# Altium PCB rezerv.PcbDoc (part 1 of 2) (continued)
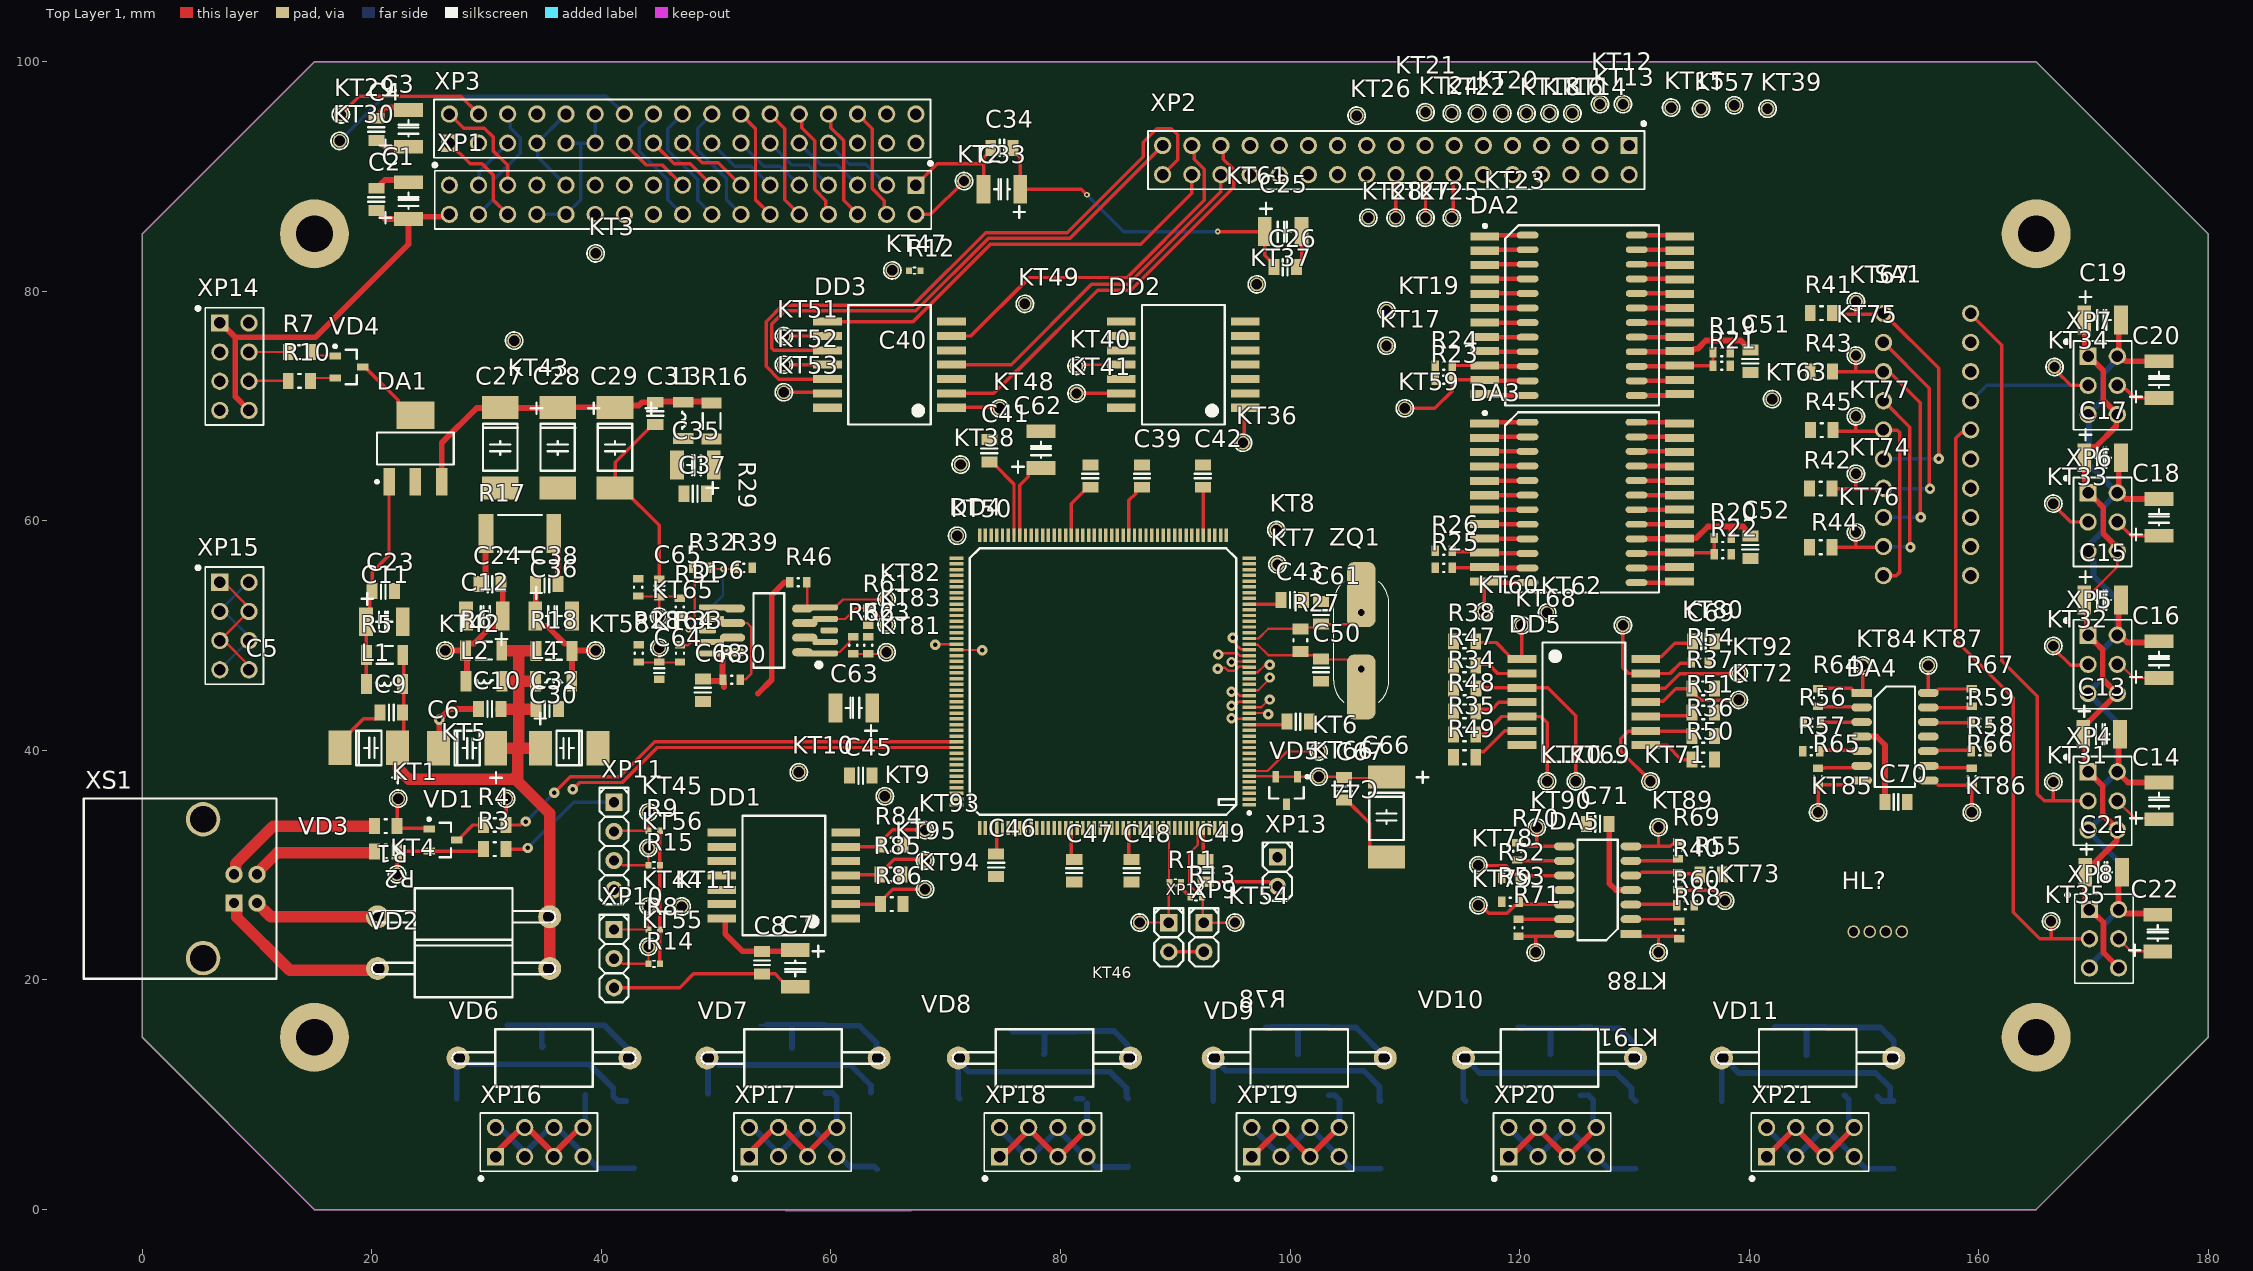
[diagram p0: Top Layer 1 view]
## Components (designator, comment, footprint, x,y, rotation, side; value= is the part's Value field where it differs from the comment) (continued)
R7 "Resistor0125" Res0805 13.7,74.7 r90 top value=0
R8 "Resistor0062" Res0402 44.6,24.4 r90 top value=10к
R9 "Resistor0062" Res0402 44.6,33 r90 top value=10к
R10 "Resistor0125" Res0805 13.7,72.2 r90 top value=0
R11 "Resistor0062" Res0402 90,28.5 r90 top value=10к
R12 "Resistor0062" Res0402 67.3,81.8 r270 top value=10к
R13 "Resistor0062" Res0402 91.8,27.2 r90 top value=10к
R14 "Resistor0062" Res0402 44.6,21.4 r90 top value=10к
R15 "Resistor0062" Res0402 44.6,30 r90 top value=10к
R16 "Resistor025" Res1206 49.599,68.702 r0 top value=100
R17 "Resistor1" Res2512 32.9,58.9 r90 top value=0,15
R18 "Resistor025" Res1206 35.875,48.67 r90 top value=100
R19 "Resistor01" Res0603 137.6,74.7 r270 top value=1к
R20 "Resistor01" Res0603 137.7,58.5 r270 top value=1к
R21 "Resistor01" Res0603 137.6,73.5 r270 top value=100к
R22 "Resistor01" Res0603 137.7,57.1 r270 top value=100к
R23 "Resistor01" Res0603 113.4,72.3 r270 top value=10к
R24 "Resistor01" Res0603 113.4,73.5 r270 top value=10к
R25 "Resistor01" Res0603 113.4,55.9 r270 top value=10к
R26 "Resistor01" Res0603 113.4,57.4 r270 top value=10к
R27 "Resistor0125" Res0805 100.9,49.6 r0 top value=10М
R28 "Resistor01" Res0603 43.246,48.45 r0 top value=10
R29 "Resistor01" Res0603 43.2,54.2 r0 top value=10
R30 "Resistor01" Res0603 51.346,46.15 r90 top value=10к
R31 "Resistor01" Res0603 46.835,52.493 r0 top value=10
R32 "Resistor01" Res0603 48.7,55.9 r90 top value=10к
R33 "Resistor01" Res0603 46.846,48.45 r180 top value=10
R34 "Resistor0125" Res0805 115.225,45.4 r270 top value=10М
R35 "Resistor0125" Res0805 115.2,41.4 r270 top value=10М
R36 "Resistor0125" Res0805 136,41.256 r90 top value=10М
R37 "Resistor0125" Res0805 136,45.4 r90 top value=10М
R38 "Resistor0125" Res0805 115.2,49.5 r270 top value=10М
R39 "Resistor01" Res0603 52.4,55.9 r90 top value=10к
R40 "Resistor01" Res0603 133.8,28.6 r0 top value=10к
R41 "Resistor0125" Res0805 146.3,78.1 r90 top value=1к
R42 "Resistor0125" Res0805 146.225,62.8 r90 top value=1к
R43 "Resistor0125" Res0805 146.3,73 r90 top value=1к
R44 "Resistor0125" Res0805 146.225,57.7 r90 top value=1к
R45 "Resistor0125" Res0805 146.325,67.9 r90 top value=1к
R46 "Resistor01" Res0603 57.146,54.65 r90 top value=10к
R47 "Resistor0125" Res0805 115.2,47.4 r90 top value=1к
R48 "Resistor0125" Res0805 115.2,43.4 r90 top value=1к
R49 "Resistor0125" Res0805 115.2,39.4 r90 top value=1к
R50 "Resistor0125" Res0805 136,39.2 r270 top value=1к
R51 "Resistor0125" Res0805 136,43.3 r270 top value=1к
R52 "Resistor01" Res0603 119.2,28.9 r270 top value=10к
R53 "Resistor01" Res0603 119.2,26.8 r270 top value=10к
R54 "Resistor01" Res0603 135.7,47.65 r90 top value=10к
R55 "Resistor0125" Res0805 136.7,29.2 r270 top value=220к
R56 "Resistor01" Res0603 145.45,42.4 r90 top value=1,5к
R57 "Resistor01" Res0603 145.4,39.921 r90 top value=1,5к
R58 "Resistor01" Res0603 160.089,39.921 r270 top value=1,5к
R59 "Resistor01" Res0603 160.1,42.4 r270 top value=1,5к
R60 "Resistor01" Res0603 134.45,26.5 r270 top value=1,5к
R61 "Resistor01" Res0603 63.246,51.65 r180 top value=10к
R62 "Resistor01" Res0603 61.946,49.15 r180 top value=3,3к
R63 "Resistor01" Res0603 63.246,49.15 r0 top value=6,8к
R64 "Resistor01" Res0603 146,44.6 r180 top value=4,7к
R65 "Resistor01" Res0603 146,37.7 r0 top value=4,7к
R66 "Resistor01" Res0603 159.4,37.7 r0 top value=4,7к
R67 "Resistor01" Res0603 159.4,44.6 r180 top value=4,7к
R68 "Resistor01" Res0603 133.9,24.35 r0 top value=4,7к
R69 "Resistor01" Res0603 133.8,31.3 r0 top value=10к
R70 "Resistor01" Res0603 119.8,31.2 r0 top value=10к
R71 "Resistor01" Res0603 119.9,24.55 r180 top value=10к
R72 "Resistor1" Res2512 31.8,12.9 r0 bottom value=0,15
R73 "Resistor1" Res2512 27.3,6.5 r0 bottom value=0,15
R74 "Resistor1" Res2512 53.8,12.9 r0 bottom value=0,15
R75 "Resistor1" Res2512 49.3,6.5 r0 bottom value=0,15
R76 "Resistor1" Res2512 75.794,12.9 r0 bottom value=0,15
R77 "Resistor1" Res2512 71.2,6.5 r0 bottom value=0,15
R78 "Resistor1" Res2512 97.9,12.9 r0 bottom value=0,15
R79 "Resistor1" Res2512 93.3,6.5 r0 bottom value=0,15
R80 "Resistor1" Res2512 119.9,12.9 r0 bottom value=0,15
R81 "Resistor1" Res2512 115.3,6.5 r0 bottom value=0,15
R82 "Resistor1" Res2512 142.2,12.9 r0 bottom value=0,15
R83 "Resistor1" Res2512 137.6,6.5 r0 bottom value=0,15
R84 "Resistor0125" Res0805 65.3,31.8 r270 top value=1к
R85 "Resistor0125" Res0805 65.225,29.2 r270 top value=1к
R86 "Resistor0125" Res0805 65.3,26.6 r270 top value=1к
R87 "Resistor1" Res2512 37.4,12.9 r180 bottom value=0,15
R88 "Resistor1" Res2512 41.9,6.5 r180 bottom value=0,15
R89 "Resistor1" Res2512 59.5,12.9 r180 bottom value=0,15
R90 "Resistor1" Res2512 63.8,6.5 r180 bottom value=0,15
R91 "Resistor1" Res2512 81.405,12.9 r180 bottom value=0,15
R92 "Resistor1" Res2512 85.9,6.5 r180 bottom value=0,15
R93 "Resistor1" Res2512 103.4,12.9 r180 bottom value=0,15
R94 "Resistor1" Res2512 107.9,6.5 r180 bottom value=0,15
R95 "Resistor1" Res2512 125.3,12.9 r180 bottom value=0,15
R96 "Resistor1" Res2512 130.1,6.5 r180 bottom value=0,15
R97 "Resistor1" Res2512 147.7,12.9 r180 bottom value=0,15
R98 "Resistor1" Res2512 152.6,6.5 r180 bottom value=0,15
SA1 "Switch_10pin" Switch_dip_10 151.7,78.08 r270 top
VD1 "Diod2K" "SOT23 2D706AS9" 26.2,32.2 r270 top
VD2 "Diod" DO-201AD 28,21 r0 top
VD3 "Diod" DO-201AD 28,25.5 r0 top
VD4 "Diod2K" "SOT23 2D706AS9" 18,73.4 r270 top
VD5 "Diod2K" "SOT23 2D706AS9" 99.7,36.5 r180 top
VD6 "Diod" DO-201AD 35,13.2 r0 top
VD7 "Diod" DO-201AD 56.7,13.2 r0 top
VD8 "Diod" DO-201AD 78.6,13.2 r0 top
VD9 "Diod" DO-201AD 100.8,13.2 r0 top
VD10 "Diod" DO-201AD 122.6,13.2 r0 top
VD11 "Diod" DO-201AD 145.1,13.2 r0 top
XP1 "ConnectorP34" PLD-34 47.08,87.97 r270 top value=34
XP2 "ConnectorP34" PLD-34 109.22,91.43 r270 top value=34
XP3 "ConnectorP34" PLD-34 47.08,94.17 r90 top value=34
XP4 "ConnectorP6" PLD-6 170.8,35.6 r0 top value=6
XP5 "ConnectorP6" PLD-6 170.8,47.5 r0 top value=6
XP6 "ConnectorP6" PLD-6 170.8,59.9 r0 top value=6
XP7 "ConnectorP6" PLD-6 170.8,71.8 r0 top value=6
XP8 "ConnectorP6" PLD-6 170.915,23.588 r0 top value=6
XP9 "ConnectorP2" PLS-2 92.495,23.718 r0 top value=2
XP10 "ConnectorP3" PLS-3 41.1,21.86 r0 top value=3
XP11 "ConnectorP4" PLS-4 41.1,31.67 r0 top value=4
XP12 "ConnectorP2" PLS-2 89.435,23.718 r0 top value=2
XP13 "ConnectorP2" PLS-2 98.9,29.43 r0 top value=2
XP14 "ConnectorP8" PLD-8 8.03,73.43 r0 top value=8
XP15 "ConnectorP8" PLD-8 8.03,50.834 r0 top value=8
XP16 "ConnectorP8" PLD-8 34.59,5.87 r90 top value=8
XP17 "ConnectorP8" PLD-8 56.7,5.87 r90 top value=8
XP18 "ConnectorP8" PLD-8 78.5,5.87 r90 top value=8
XP19 "ConnectorP8" PLD-8 100.47,5.87 r90 top value=8
XP20 "ConnectorP8" PLD-8 122.87,5.87 r90 top value=8
XP21 "ConnectorP8" PLD-8 145.33,5.87 r90 top value=8
XS1 "ConnectorS4_USB_B" USB_B 8,29.2 r270 top
ZQ1 "Quartz" HC-49SM_U 106.2,49.55 r0 top value="8 МГц"

## Footprints (in the part's own frame and the unit in brackets; to place one, negate y for a bottom-side part, rotate by r counter-clockwise, add the part's x,y. Pads: shape width x height; smd on the part's side, far side on the other; paste and mask are expansions set on the pad)
401.14-5 [mm]
  rect 2.5x0.7 smd mask+0.05: 1(-5.4,3.75) 2(-5.4,2.5) 3(-5.4,1.25) 4(-5.4,0) 5(-5.4,-1.25) 6(-5.4,-2.5) 7(-5.4,-3.75) 8(5.4,-3.75) 9(5.4,-2.5) 10(5.4,-1.25) 11(5.4,0) 12(5.4,1.25) 13(5.4,2.5) 14(5.4,3.75)
  silkscreen extent -3.6,-5.2 3.6,5.2, body extent -6.65,-4.98 6.65,5.02, height 2.65
4118.24-2_SOIC24 [mm]
  rect 2.5x0.7 smd mask+0.05: 1(-8.5,6.875) 2(-8.5,5.625) 3(-8.5,4.375) 4(-8.5,3.125) 5(-8.5,1.875) 6(-8.5,0.625) 7(-8.5,-0.625) 8(-8.5,-1.875) 9(-8.5,-3.125) 10(-8.5,-4.375) 11(-8.5,-5.625) 12(-8.5,-6.875) 13(8.5,-6.875) 14(8.5,-5.625) 15(8.5,-4.375) 16(8.5,-3.125) 17(8.5,-1.875) 18(8.5,-0.625) 19(8.5,0.625) 20(8.5,1.875) 21(8.5,3.125) 22(8.5,4.375) 23(8.5,5.625) 24(8.5,6.875)
  oval 1.9x0.6 smd: 1(-4.75,6.985) 2(-4.75,5.715) 3(-4.75,4.445) 4(-4.75,3.175) 5(-4.75,1.905) 6(-4.75,0.635) 7(-4.75,-0.635) 8(-4.75,-1.905) 9(-4.75,-3.175) 10(-4.75,-4.445) 11(-4.75,-5.715) 12(-4.75,-6.985) 13(4.75,-6.985) 14(4.75,-5.715) 15(4.75,-4.445) 16(4.75,-3.175) 17(4.75,-1.905) 18(4.75,-0.635) 19(4.75,0.635) 20(4.75,1.905) 21(4.75,3.175) 22(4.75,4.445) 23(4.75,5.715) 24(4.75,6.985)
  Top Layer 1 lines w0.4: -8.49,-6.985 -4.75,-6.985 ; -8.49,-5.715 -4.75,-5.715 ; -8.49,-4.445 -4.75,-4.445 ; -8.49,-3.175 -4.75,-3.175 ; -8.49,-1.905 -4.75,-1.905 ; -8.49,-0.635 -4.75,-0.635 ; -8.49,0.635 -4.75,0.635 ; -8.49,1.905 -4.75,1.905 ; -8.49,3.175 -4.75,3.175 ; -8.49,4.445 -4.75,4.445 ; -8.49,5.715 -4.75,5.715 ; -8.49,6.985 -4.75,6.985 ; 4.75,-6.985 8.49,-6.985 ; 4.75,-5.715 8.49,-5.715 ; 4.75,-4.445 8.49,-4.445 ; 4.75,-1.905 8.49,-1.905 ; 4.75,-0.635 8.49,-0.635 ; 4.75,0.635 8.49,0.635 ; 4.75,1.905 8.49,1.905 ; 4.75,3.175 8.49,3.175 ; 4.75,4.445 8.49,4.445 ; 4.75,5.715 8.49,5.715 ; 4.75,6.985 8.49,6.985
  Top Layer 1 lines w0.5: 4.75,-3.175 8.49,-3.175
  silkscreen extent -8.59,-7.85 6.7,7.91, body extent -9.75,-8.08 9.75,7.72, height 4.2
BL-L515 [mm]
  round 1.1 hole 0.8: 1(0,0) 2(1.4,0) 3(2.8,0) 4(4.2,0)
  body extent -1.27,-2.95 4.63,2.95, height 9.1
Cap0603 [mm] "Chip Capacitor, 2-Leads, Body 1,60x0,80mm, IPC Medium Density"
  rect 0.9x0.65 smd: 1(0,0.75) 2(0,-0.75)
  silkscreen extent -0.45,-0.2 0.45,0.2, body extent -0.4,-0.8 0.4,0.8, height 0.78
Cap0805 [mm] "Chip Capacitor, 2-Leads, Body 2,00x1,25mm, IPC Medium Density"
  rect 1.4x0.95 smd: 1(0,0.975) 2(0,-0.975)
  silkscreen extent -0.7,-0.2 0.7,0.2, body extent -0.62,-1 0.63,1, height 0.58
CAP8060M [mm] "CAP_8060M"
  rect 3.6x6.5 smd: 1(-2.8,0) 2(2.8,0)
  silkscreen extent -0.6,-3.15 0.6,3.15, body extent -4.25,-3.25 4.25,3.25, height 2.8
CapCaseB [mm]
  rect 2.5x1.2 smd: 1(0,1.6) 2(0,-1.6)
  silkscreen extent -2.5,-2 0.87,0.7, body extent -1.47,-1.85 1.46,1.85, height 2.03
CapCaseC [mm]
  rect 3x2 smd: 1(0,2.5) 2(0,-2.5)
  silkscreen extent -3.08,-3.02 1.5,1.1, body extent -1.75,-3.15 1.75,3.15, height 2.8
CapCaseD [mm]
  rect 3.2x2 smd: 1(0,3.5) 2(0,-3.5)
  silkscreen extent -3.65,-3.95 1.5,2, body extent -2.3,-3.8 2.3,3.8, height 3.1
DO-201AD [mm]
  round 2 hole 1.2: A(-7.5,0) K(7.5,0)
  silkscreen extent -8,-2.5 8,2.5, body extent -6.9,-1.8 6.9,1.8, height 5.1
H02.8-1B_SOIC8 [mm]
  rrect50% 3x0.5 smd: 1(-4.55,1.9) 4(-4.55,-2.1) 5(4.55,-2.1) 8(4.55,1.9)
  oval 1.8x0.7 smd: 1(-2.975,1.8) 4(-2.975,-2) 5(2.925,-2.01) 8(2.925,1.8)
  rrect50% 2.2x0.5 smd: 2(-4.95,0.9) 3(-4.95,-1.1) 6(4.95,-1.1) 7(4.95,0.9)
  oval 2.2x0.7 smd: 2(-3.175,0.53) 3(-3.175,-0.74) 6(3.125,-0.74) 7(3.125,0.53)
  rrect50% 1.5x0.5 smd: 9(-5.3,-0.1) 10(5.3,-0.1)
  silkscreen extent -4.6,-3.35 1.3,3.15, body extent -6.01,-3.35 5.99,3.15, height 2.9
HC-49SM_U [mm]
  rrect50% 2.5x2.5 hole 0.6: 1(0,2.45) 2(0,-2.45)
  rrect50% 2.5x4.5 smd: 1(0,4.6) 2(0,-4.6)
  silkscreen extent -2.4,-5.34 2.4,5.14, body extent -2.5,-5.61 2.5,5.74, height 3.8
Ind1206 [mm] "Chip Inductor, 2-Leads, Body 3,20x1,60mm, IPC Medium Density"
  rect 1.75x0.95 smd: 1(0,1.575) 2(0,-1.575)
  silkscreen extent -0.1,-0.75 0.2,0.75, body extent -0.8,-1.6 0.8,1.6, height 0.6
LQFP176 [mm] "LQFP176 H=1.6"
  rect 1.2x0.3 smd: 1(-12.75,10.75) 2(-12.75,10.25) 3(-12.75,9.75) 4(-12.75,9.25) 5(-12.75,8.75) 6(-12.75,8.25) 7(-12.75,7.75) 8(-12.75,7.25) 9(-12.75,6.75) 10(-12.75,6.25) 11(-12.75,5.75) 12(-12.75,5.25) 13(-12.75,4.75) 14(-12.75,4.25) 15(-12.75,3.75) 16(-12.75,3.25) 17(-12.75,2.75) 18(-12.75,2.25) 19(-12.75,1.75) 20(-12.75,1.25) 21(-12.75,0.75) 22(-12.75,0.25) 23(-12.75,-0.25) 24(-12.75,-0.75) 25(-12.75,-1.25) 26(-12.75,-1.75) 27(-12.75,-2.25) 28(-12.75,-2.75) 29(-12.75,-3.25) 30(-12.75,-3.75) 31(-12.75,-4.25) 32(-12.75,-4.75) 33(-12.75,-5.25) 34(-12.75,-5.75) 35(-12.75,-6.25) 36(-12.75,-6.75) 37(-12.75,-7.25) 38(-12.75,-7.75) 39(-12.75,-8.25) 40(-12.75,-8.75) 41(-12.75,-9.25) 42(-12.75,-9.75) 43(-12.75,-10.25) 44(-12.75,-10.75) 89(12.75,-10.75) 90(12.75,-10.25) 91(12.75,-9.75) 92(12.75,-9.25) 93(12.75,-8.75) 94(12.75,-8.25) 95(12.75,-7.75) 96(12.75,-7.25) 97(12.75,-6.75) 98(12.75,-6.25) 99(12.75,-5.75) 100(12.75,-5.25) 101(12.75,-4.75) 102(12.75,-4.25) 103(12.75,-3.75) 104(12.75,-3.25) 105(12.75,-2.75) 106(12.75,-2.25) 107(12.75,-1.75) 108(12.75,-1.25) 109(12.75,-0.75) 110(12.75,-0.25) 111(12.75,0.25) 112(12.75,0.75) 113(12.75,1.25) 114(12.75,1.75) 115(12.75,2.25) 116(12.75,2.75) 117(12.75,3.25) 118(12.75,3.75) 119(12.75,4.25) 120(12.75,4.75) 121(12.75,5.25) 122(12.75,5.75) 123(12.75,6.25) 124(12.75,6.75) 125(12.75,7.25) 126(12.75,7.75) 127(12.75,8.25) 128(12.75,8.75) 129(12.75,9.25) 130(12.75,9.75) 131(12.75,10.25) 132(12.75,10.75)
  rect 0.3x1.2 smd: 45(-10.75,-12.75) 46(-10.25,-12.75) 47(-9.75,-12.75) 48(-9.25,-12.75) 49(-8.75,-12.75) 50(-8.25,-12.75) 51(-7.75,-12.75) 52(-7.25,-12.75) 53(-6.75,-12.75) 54(-6.25,-12.75) 55(-5.75,-12.75) 56(-5.25,-12.75) 57(-4.75,-12.75) 58(-4.25,-12.75) 59(-3.75,-12.75) 60(-3.25,-12.75) 61(-2.75,-12.75) 62(-2.25,-12.75) 63(-1.75,-12.75) 64(-1.25,-12.75) 65(-0.75,-12.75) 66(-0.25,-12.75) 67(0.25,-12.75) 68(0.75,-12.75) 69(1.25,-12.75) 70(1.75,-12.75) 71(2.25,-12.75) 72(2.75,-12.75) 73(3.25,-12.75) 74(3.75,-12.75) 75(4.25,-12.75) 76(4.75,-12.75) 77(5.25,-12.75) 78(5.75,-12.75) 79(6.25,-12.75) 80(6.75,-12.75) 81(7.25,-12.75) 82(7.75,-12.75) 83(8.25,-12.75) 84(8.75,-12.75) 85(9.25,-12.75) 86(9.75,-12.75) 87(10.25,-12.75) 88(10.75,-12.75) 133(10.75,12.75) 134(10.25,12.75) 135(9.75,12.75) 136(9.25,12.75) 137(8.75,12.75) 138(8.25,12.75) 139(7.75,12.75) 140(7.25,12.75) 141(6.75,12.75) 142(6.25,12.75) 143(5.75,12.75) 144(5.25,12.75) 145(4.75,12.75) 146(4.25,12.75) 147(3.75,12.75) 148(3.25,12.75) 149(2.75,12.75) 150(2.25,12.75) 151(1.75,12.75) 152(1.25,12.75) 153(0.75,12.75) 154(0.25,12.75) 155(-0.25,12.75) 156(-0.75,12.75) 157(-1.25,12.75) 158(-1.75,12.75) 159(-2.25,12.75) 160(-2.75,12.75) 161(-3.25,12.75) 162(-3.75,12.75) 163(-4.25,12.75) 164(-4.75,12.75) 165(-5.25,12.75) 166(-5.75,12.75) 167(-6.25,12.75) 168(-6.75,12.75) 169(-7.25,12.75) 170(-7.75,12.75) 171(-8.25,12.75) 172(-8.75,12.75) 173(-9.25,12.75) 174(-9.75,12.75) 175(-10.25,12.75) 176(-10.75,12.75)
  silkscreen extent -12.88,-11.6 11.6,11.6, body extent -13.05,-13.05 13.05,13.05, height 1.45
PLD-6 [mm]
  rect 1.5x1.5 hole 1 mask+0: 1(-1.27,2.54)
  round 1.5 hole 1 mask+0: 2(1.27,2.54) 3(-1.27,0) 4(1.27,0) 5(-1.27,-2.54) 6(1.27,-2.54)
  silkscreen extent -3.32,-3.88 2.54,3.96, body extent -2.5,-3.81 2.5,3.81, height 8.5
PLD-8 [mm]
  rect 1.5x1.5 hole 1 mask+0: 1(-1.27,3.81)
  round 1.5 hole 1 mask+0: 2(1.27,3.81) 3(-1.27,1.27) 4(1.27,1.27) 5(-1.27,-1.27) 6(1.27,-1.27) 7(-1.27,-3.81) 8(1.27,-3.81)
  silkscreen extent -3.32,-5.08 2.54,5.23, body extent -2.5,-5.08 2.5,5.08, height 8.5
PLD-34 [mm]
  rect 1.5x1.5 hole 1 mask+0: 1(-1.27,20.32)
  round 1.5 hole 1 mask+0: 2(1.27,20.32) 3(-1.27,17.78) 4(1.27,17.78) 5(-1.27,15.24) 6(1.27,15.24) 7(-1.27,12.7) 8(1.27,12.7) 9(-1.27,10.16) 10(1.27,10.16) 11(-1.27,7.62) 12(1.27,7.62) 13(-1.27,5.08) 14(1.27,5.08) 15(-1.27,2.54) 16(1.27,2.54) 17(-1.27,0) 18(1.27,0) 19(-1.27,-2.54) 20(1.27,-2.54) 21(-1.27,-5.08) 22(1.27,-5.08) 23(-1.27,-7.62) 24(1.27,-7.62) 25(-1.27,-10.16) 26(1.27,-10.16) 27(-1.27,-12.7) 28(1.27,-12.7) 29(-1.27,-15.24) 30(1.27,-15.24) 31(-1.27,-17.78) 32(1.27,-17.78) 33(-1.27,-20.32) 34(1.27,-20.32)
  silkscreen extent -3.32,-21.59 2.54,21.74, body extent -2.5,-21.59 2.5,21.59, height 8.5
PLS-2 [mm]
  rect 1.5x1.5 hole 0.9: 1(0,1.27)
  round 1.5 hole 0.9: 2(0,-1.27)
  silkscreen extent -1.27,-2.54 1.27,2.54, body extent -1.27,-2.54 1.27,2.54, height 8.44
PLS-3 [mm]
  rect 1.5x1.5 hole 0.9: 1(0,2.54)
  round 1.5 hole 0.9: 2(0,0) 3(0,-2.54)
  silkscreen extent -1.27,-3.81 1.27,3.81, body extent -1.27,-3.81 1.27,3.81, height 8.44
PLS-4 [mm]
  rect 1.5x1.5 hole 0.9: 1(0,3.81)
  round 1.5 hole 0.9: 2(0,1.27) 3(0,-1.27) 4(0,-3.81)
  silkscreen extent -1.27,-5.08 1.27,5.08, body extent -1.27,-5.08 1.27,5.08, height 8.44
Res0402 [mm] "Chip Resistor, 2-Leads, Body 1,00x0,50mm, IPC Medium Density"
  rect 0.55x0.5 smd: 1(0,0.5) 2(0,-0.5)
  silkscreen extent -0.28,-0.1 0.27,0.1, body extent -0.25,-0.5 0.25,0.5, height 0.4
Res0603 [mm] "Chip Resistor, 2-Leads, Body 1,60x0,80mm, IPC Medium Density"
  rect 0.9x0.65 smd: 1(0,0.75) 2(0,-0.75)
  silkscreen extent -0.35,-0.05 0.35,0.05, body extent -0.4,-0.8 0.4,0.8, height 0.5
Res0805 [mm] "Chip Resistor, 2-Leads, Body 2,00x1,25mm, IPC Medium Density"
  rect 1.4x0.95 smd: 1(0,0.975) 2(0,-0.975)
  silkscreen extent -0.6,-0.1 0.6,0.1, body extent -0.63,-1 0.63,1, height 0.43
Res1206 [mm] "Chip Resistor, 2-Leads, Body 3,20x1,60mm, IPC Medium Density"
  rect 1.75x0.95 smd: 1(0,1.575) 2(0,-1.575)
  silkscreen extent -0.77,-0.7 0.77,0.7, body extent -0.8,-1.6 0.8,1.6, height 0.6
Res2512 [mm] "Chip Resistor, 2-Leads, Body 6,30x3,20mm, IPC Medium Density"
  rect 3.4x1.3 smd: 1(0,2.95) 2(0,-2.95)
  silkscreen extent -1.6,-1.9 1.6,1.9, body extent -1.58,-3.15 1.58,3.15, height 0.55
SOIC14 [mm]
  rect 1.8x0.7 smd paste+0: 1(-2.9,3.81)
  oval 1.8x0.7 smd paste+0: 2(-2.9,2.54) 3(-2.9,1.27) 4(-2.9,0) 5(-2.9,-1.27) 6(-2.9,-2.54) 7(-2.9,-3.81) 8(2.9,-3.81) 9(2.9,-2.54) 10(2.9,-1.27) 11(2.9,0) 12(2.9,1.27) 13(2.9,2.54) 14(2.9,3.81)
  silkscreen extent -1.75,-4.39 1.75,4.37, body extent -3,-4.37 3,4.38, height 1.75
"SOT23 2D706AS9" [mm]
  rect 0.6x1 smd: A(0,1.2) K1(-0.95,-1.2) K2(0.95,-1.2)
  silkscreen extent -1.92,-1.32 1.5,0.7, body extent -1.45,-1.4 1.45,1.4, height 1.3
SOT223 [mm] "SOT223, 4-Leads, Body 6,50x7,00mm (avg), Pitch 2,30mm, IPC Medium Density"
  rect 2.4x1 smd: 1(-2.9,2.3) 2(-2.9,0) 3(-2.9,-2.3)
  rect 2.4x3.3 smd: 4(2.9,0)
  silkscreen extent -3.02,-3.35 1.4,3.47, body extent -3.44,-3.25 3.49,3.25, height 1.64
Switch_dip_10 [mm]
  round 1.5 hole 1: 1(0,0) 2(2.54,0) 3(5.08,0) 4(7.62,0) 5(10.16,0) 6(12.7,0) 7(15.24,0) 8(17.78,0) 9(20.32,0) 10(22.86,0) 11(0,7.6) 12(2.54,7.6) 13(5.08,7.6) 14(7.62,7.6) 15(10.16,7.6) 16(12.7,7.6) 17(15.24,7.6) 18(17.78,7.6) 19(20.32,7.6) 20(22.86,7.6)
  body extent -1.89,-1.03 24.74,8.63, height 6.32
TESTPOINT [mm]
  round 1.2 hole 0.9: 1(0,0)
  silkscreen extent -0.75,-0.75 0.75,0.75
USB_B [mm]
  rect 1.5x1.5 hole 0.9: 1(2.5,0)
  round 1.5 hole 0.9: 2(0,0) 3(0,2) 4(2.5,2)
  round 3 hole 2.3: ""(-4.8,-2.7) ""(7.3,-2.7)
  silkscreen extent -6.6,-13.1 9.1,3.7, body extent -6.2,-13 8.7,3.6, height 11.25

## Part data
C1 C3 C7 C11 C12 C13 C15 C17 C19 C21 C25 C33 C35 C36: library part 2164, Manufacturer="АО «НИИ ГИРИКОНД»", ManufacturerTU=АЖЯР.673546.001ТУ, Package="K2 (Case B)", PartNumber="К53-56А-16 В-4,7 мкФ±20 %", SolderTemperature=265, TemperatureRange="от минус 60 до 125", VoltageLimit=16, Alternative="Case B 4,7 мкФ, 16 В, ±20 %", Alternative2="К53-56А-16 В-4,7 мкФ±20 % В АДПК.673546.005ТУ", CardKRR=67, ComponentLink1Description=К53-56А, ComponentLink1URL=\\192.168.0.253\U_Base\PDF\C\K53-56.pdf, DataSheet=#\\192.168.0.253\U_Base\PDF\C\К53-56А.pdf#, Group=Конденсаторы, HelpURL=\\192.168.0.253\U_Base\PDF\C\K53-56.pdf, Key=2164, MilitaryControl=ВП, Modify=13.03.2019, MountType=ПМ, Name=К53-56А, SolderName=K53-56A-16V-4.7mkF, ViewControl="В, 10%", X_SORT_1=100, X_SORT_2=200, X_SORT_3=1
C2 C4 C8 C9 C10 C23 C24 C26 C31 C32 C34 C37 C38 C39 C40 C41 C42 C43 C44 C45 C46 C47 C48 C51 C52 C67 C68 C69 C70 C71: library part 2161, Manufacturer="ОАО «ВЗРД Монолит»", ManufacturerTU=ФЦТА.673516.016ТУ, Package="0805 (2012)", PartNumber="К10-84в-2012М-50 В-Н90-0,1 мкФ+80 %-20 %-N-A", SolderTemperature=175, TemperatureRange="от минус 60 до 85", VoltageLimit=50, Alternative="0805 0,1 мкФ, 50 В, ±10 %", CardKRR=67, ComponentLink1Description=К10-84, ComponentLink1URL=\\192.168.0.253\U_Base\PDF\C\K10-84.pdf, DataSheet=#\\192.168.0.253\U_Base\PDF\C\K10-84.pdf#, Group=Конденсаторы, HelpURL=\\192.168.0.253\U_Base\PDF\C\K10-84.pdf, Key=2161, MilitaryControl=ВП, Modify=13.03.2019, MountType=ПМ, Name=К10-84в, SolderName=K10-84v-2012M-50V-N90-0,1mkF, ViewControl="В, 10%", X_SORT_1=100, X_SORT_2=200, X_SORT_3=1
C5 C6 C30: library part 2172, Manufacturer="АО «НИИ ГИРИКОНД»", ManufacturerTU=АЖЯР.673546.001ТУ, Package="K3 (Case С)", PartNumber="К53-56А-16 В-22 мкФ±20 %", SolderTemperature=265, TemperatureRange="от минус 60 до 125", VoltageLimit=16, Alternative="Case C 22 мкФ, 16 В, ±20 %", Alternative2="К53-56А-16 В-22 мкФ±20 % В АДПК.673546.005ТУ", CardKRR=67, ComponentLink1Description=К53-56А, ComponentLink1URL=\\192.168.0.253\U_Base\PDF\C\K53-56.pdf, DataSheet=#\\192.168.0.253\U_Base\PDF\C\К53-56А.pdf#, Group=Конденсаторы, HelpURL=\\192.168.0.253\U_Base\PDF\C\K53-56.pdf, Key=2172, MilitaryControl=ВП, Modify=13.03.2019, MountType=ПМ, Name=К53-56А, SolderName=K53-56A-16V-22mkF, ViewControl="В, 10%", X_SORT_1=100, X_SORT_2=200, X_SORT_3=1
C14 C16 C18 C20 C22 C62 C63: library part 2166, Manufacturer="АО «НИИ ГИРИКОНД»", ManufacturerTU=АЖЯР.673546.001ТУ, Package="K2 (Case B)", PartNumber="К53-56А-25 В-2,2 мкФ±20 %", SolderTemperature=265, TemperatureRange="от минус 60 до 125", VoltageLimit=25, Alternative="Case B 2,2 мкФ, 25 В, ±20 %", Alternative2="К53-56А-25 В-2,2 мкФ±20 % В АДПК.673546.005ТУ", CardKRR=67, ComponentLink1Description=К53-56А, ComponentLink1URL=\\192.168.0.253\U_Base\PDF\C\K53-56.pdf, DataSheet=#\\192.168.0.253\U_Base\PDF\C\К53-56А.pdf#, Group=Конденсаторы, HelpURL=\\192.168.0.253\U_Base\PDF\C\K53-56.pdf, Key=2166, MilitaryControl=ВП, Modify=13.03.2019, MountType=ПМ, Name=К53-56А, SolderName=K53-56A-25V-2.2mkF, ViewControl="В, 10%", X_SORT_1=100, X_SORT_2=200, X_SORT_3=1
C27 C28 C29 C66: library part 2249, Manufacturer="АО «НИИ ГИРИКОНД»", ManufacturerTU=АЖЯР.673546.006ТУ, Package="K3 (Case D)", PartNumber="К53-67-10 В-330 мкФ±10 %", SolderTemperature=265, TemperatureRange="от минус 60 до 125", VoltageLimit=32, Alternative="Case D 330 мкФ, 10 В, ±10 %", CardKRR=67, ComponentLink1Description=К53-67, Group=Конденсаторы, Key=2249, MilitaryControl=ВП, Modify=13.03.2019, MountType=ПМ, Name=К53-67, SolderName=K53-67-10V-330mkF, ViewControl="В, 10%", X_SORT_1=100, X_SORT_2=200, X_SORT_3=1
C49: library part 2796, Manufacturer="АО \"НИИ \"ГИРИКОНД\"", ManufacturerTU=АЖЯР.673511.002ТУ, PartNumber="К10-69в-Н90-50 В-2012М-0,01 мкФ+80/-20 %-N", TemperatureRange="от минус 60 до 85", Alternative="0805 0,01 мкФ, 50 В, ±10 %", CardKRR=67, ComponentLink1URL=\\192.168.0.253\U_Base\PDF\C\K10-69.pdf, DataSheet=\\192.168.0.253\U_Base\PDF\C\K10-69.pdf, Group=Конденсаторы, HelpURL=\\192.168.0.253\U_Base\PDF\C\K10-69.pdf, Key=2796, MilitaryControl=ВП, Modify=03.02.2020, MountType=ПМ, Name=К10-69в, SolderName=K10-69v-N90-50V-2012M-0.01mkF, ViewControl="В, 10%", X_SORT_1=1, X_SORT_2=1, X_SORT_3=1
C50 C61: library part 2141, Manufacturer="ОАО «ВЗРД Монолит»", ManufacturerTU=ФЦТА.673516.016ТУ, Package="0805 (2012)", PartNumber="К10-84в-2012М-100 В-МП0-16 пФ±10 %-N-A", SolderTemperature=175, TemperatureRange="от минус 60 до 85", VoltageLimit=100, Alternative="0805 16 пФ, 100 В, ±10 %", CardKRR=67, ComponentLink1Description=К10-84, ComponentLink1URL=\\192.168.0.253\U_Base\PDF\C\K10-84.pdf, DataSheet=#\\192.168.0.253\U_Base\PDF\C\K10-84.pdf#, Group=Конденсаторы, HelpURL=\\192.168.0.253\U_Base\PDF\C\K10-84.pdf, Key=2141, MilitaryControl=ВП, Modify=13.03.2019, MountType=ПМ, Name=К10-84в, SolderName=K10-84v-2012M-100V-MP0-16pF, ViewControl="В, 10%", X_SORT_1=100, X_SORT_2=200, X_SORT_3=1
C53 C54 C55 C56 C57 C58 C59 C60: library part 33232447, Manufacturer="ОАО «ВЗРД Монолит»", ManufacturerTU=ФЦТА.673516.016ТУ, Package="0805 (8060M)", PartNumber="К10-84в-8060М-100 В-Н90-2,2 мкФ+80/-20 %-N-A", SolderTemperature=175, TemperatureRange="от минус 60 до 85", VoltageLimit=100, Alternative="2220 2,2 мкФ, 100 В, ±10 %", CardKRR=67, ComponentLink1Description=К10-84, ComponentLink1URL=\\192.168.0.101\U_Base\PDF\C\K10-84.pdf, DataSheet=#\\192.168.0.101\U_Base\PDF\C\K10-84.pdf#, Group=Конденсаторы, HelpURL=\\192.168.0.101\U_Base\PDF\C\K10-84.pdf, Key=33232447, MilitaryControl=ВП, Modify=13.03.2019, MountType=ПМ, Name=К10-84в, SolderName=K10-84v-8060M-100V-N90-2.2mkF, ViewControl="В, 10%", X_SORT_1=100, X_SORT_2=200, X_SORT_3=1
C64 C65 C72 C73 C74 C75 C76 C77: library part 2111, Manufacturer="ОАО «ВЗРД Монолит»", ManufacturerTU=ФЦТА.673516.016ТУ, Package="0603 (1608)", PartNumber="К10-84в-1608М-100 В-МП0-10 пФ±10 %-N-A", SolderTemperature=175, TemperatureRange="от минус 60 до 85", VoltageLimit=100, Alternative="0603 10 пФ, 100 В, ±10 %", CardKRR=67, ComponentLink1Description=К10-84, ComponentLink1URL=\\192.168.0.253\U_Base\PDF\C\K10-84.pdf, DataSheet=#\\192.168.0.253\U_Base\PDF\C\K10-84.pdf#, Group=Конденсаторы, HelpURL=\\192.168.0.253\U_Base\PDF\C\K10-84.pdf, Key=2111, MilitaryControl=ВП, Modify=13.03.2019, MountType=ПМ, Name=К10-84в, SolderName=K10-84v-1608M-100V-MP0-10pF, ViewControl="В, 10%", X_SORT_1=100, X_SORT_2=200, X_SORT_3=1
DA1: library part 112, Manufacturer="Texas Instruments", PartNumber=LM2937IMP-3.3/NOPB, TemperatureRange="от минус 40 до 125", VoltageLimit=26, CardKRR=64, Group=Микросхемы, Key=112, MilitaryControl=ОТК, Modify=12.11.2020, MountType=ПМ, Name=LM2937IMP-3.3/NOPB, SolderName=LM2937IMP-3.3/NOPB, ViewControl="В, 100%", X_SORT_1=200, X_SORT_2=401, X_SORT_3=1
DA2 DA3: library part 1, Manufacturer="ОАО «ИНТЕГРАЛ»", ManufacturerTU=АЕЯР.431320.701-03ТУ, Package=4118.24-2, PartNumber=1315ПТ24Т, TemperatureRange="от минус 60 до 125", Alternative=AD8403ARZ10, CardKRR=65, ComponentLink1URL="\\192.168.0.253\U_Base\PDF\D\Серия 1315.pdf", ComponentLink2Description="Аналог AD8403", ComponentLink2URL=\\192.168.0.253\U_Base\PDF\D\AD8403.pdf, DataSheet="#\\192.168.0.253\U_Base\PDF\D\Серия 1315.pdf#", Group=Микросхемы, HelpURL="\\192.168.0.253\U_Base\PDF\D\Серия 1315.pdf", Key=1, MilitaryControl=ВП, Modify=14.03.2019, MountType=РМ, Name=1315ПТ24Т, SolderName=1315PT24T, ViewControl="В, 100%", X_SORT_1=200, X_SORT_2=400, X_SORT_3=1
DA4 DA5: library part 71, Manufacturer="Analog Devices", Package=SOIC14, PartNumber=AD8044ARZ-14, TemperatureRange="от минус 40 до 85", CardKRR=63, ComponentLink1URL=\\192.168.0.253\U_Base\PDF\D\AD8044.pdf, DataSheet=#\\192.168.0.253\U_Base\PDF\D\AD8044.pdf#, Group=Микросхемы, HelpURL=\\192.168.0.253\U_Base\PDF\D\AD8044.pdf, Key=71, MilitaryControl=ОТК, Modify=14.03.2019, MountType=ПМ, Name=AD8044ARZ-14, Notice="Analog Devices", SolderName=AD8044ARZ-14, ViewControl="В, 100%", X_SORT_1=200, X_SORT_2=401, X_SORT_3=1
DD1 DD2 DD3 DD5: library part 4, CurrentLimit=0,0038, Manufacturer="ОАО «ИНТЕГРАЛ»", ManufacturerTU=бК0.347.364-01ТУ, Package=401.14-5, PartNumber=1533ЛН1, TemperatureRange="от минус 60 до 125", CardKRR=65, ComponentLink1URL=\\192.168.0.101\U_Base\PDF\D\1533ЛН1.pdf, DataSheet=#\\192.168.0.101\U_Base\PDF\D\1533ЛН1.pdf#, Group=Микросхемы, HelpURL=\\192.168.0.101\U_Base\PDF\D\1533ЛН1.pdf, Key=4, MilitaryControl=ВП, Modify=14.03.2019, MountType=РМ, Name=1533ЛН1, SolderName=1533LN1, ViewControl="В, 100%", X_SORT_1=200, X_SORT_2=400, X_SORT_3=1
DD4: library part 109, Manufacturer=STMicroelectronics, TemperatureRange="от минус 40 до 85", CardKRR=64б, ComponentLink1URL="\\192.168.0.253\U_Base\PDF\D\STM32F407IGT6 LQFP176.pdf", DataSheet="#\\192.168.0.253\U_Base\PDF\D\STM32F407IGT6 LQFP176.pdf#", Group=Микросхемы, HelpURL="\\192.168.0.253\U_Base\PDF\D\STM32F407IGT6 LQFP176.pdf", Key=109, MilitaryControl=ОТК, Modify=15.03.2021, MountType=ПМ, Name=STM32F407IGT6, PartNumber=STM32F407IGT6, SolderName=STM32F407IGT6, ViewControl="В, 100%", X_SORT_1=201, X_SORT_2=401, X_SORT_3=A
DD6: library part 53, CurrentLimit=0,25, Manufacturer="АО «ПКК МИЛАНДР»", ManufacturerTU=АЕЯР.431230.645ТУ, Package=H02.8-1B, PartNumber=5559ИН10АУ, TemperatureRange="от минус 60 до 125", Alternative="К5559ИН10АУ ТСКЯ.431323.002СП", Alternative2=MAX13085EESA+T, CardKRR=65, ComponentLink1URL=\\192.168.0.253\U_Base\PDF\D\5559ИН10АУ.pdf, DataSheet=#\\192.168.0.253\U_Base\PDF\D\5559ИН10АУ.pdf#, Group=Микросхемы, HelpURL=\\192.168.0.253\U_Base\PDF\D\5559ИН10АУ.pdf, Key=53, MilitaryControl=ВП, Modify=27.03.2019, MountType=РМ, Name=5559ИН10АУ, SolderName=5559IN10AU, ViewControl="В, 100%", X_SORT_1=200, X_SORT_2=400, X_SORT_3=1